# Altium PCB PCB1_1.pcbdoc (part 2 of 3)
Units mil, origin at the board's own origin, x right, y up, seen from the top; angles counter-clockwise.
Board outline 12887.67 x 6224.24 mil, 2 copper layers (Top Layer, Bottom Layer); 396 components, 233 nets, 925 pads, 502 vias.
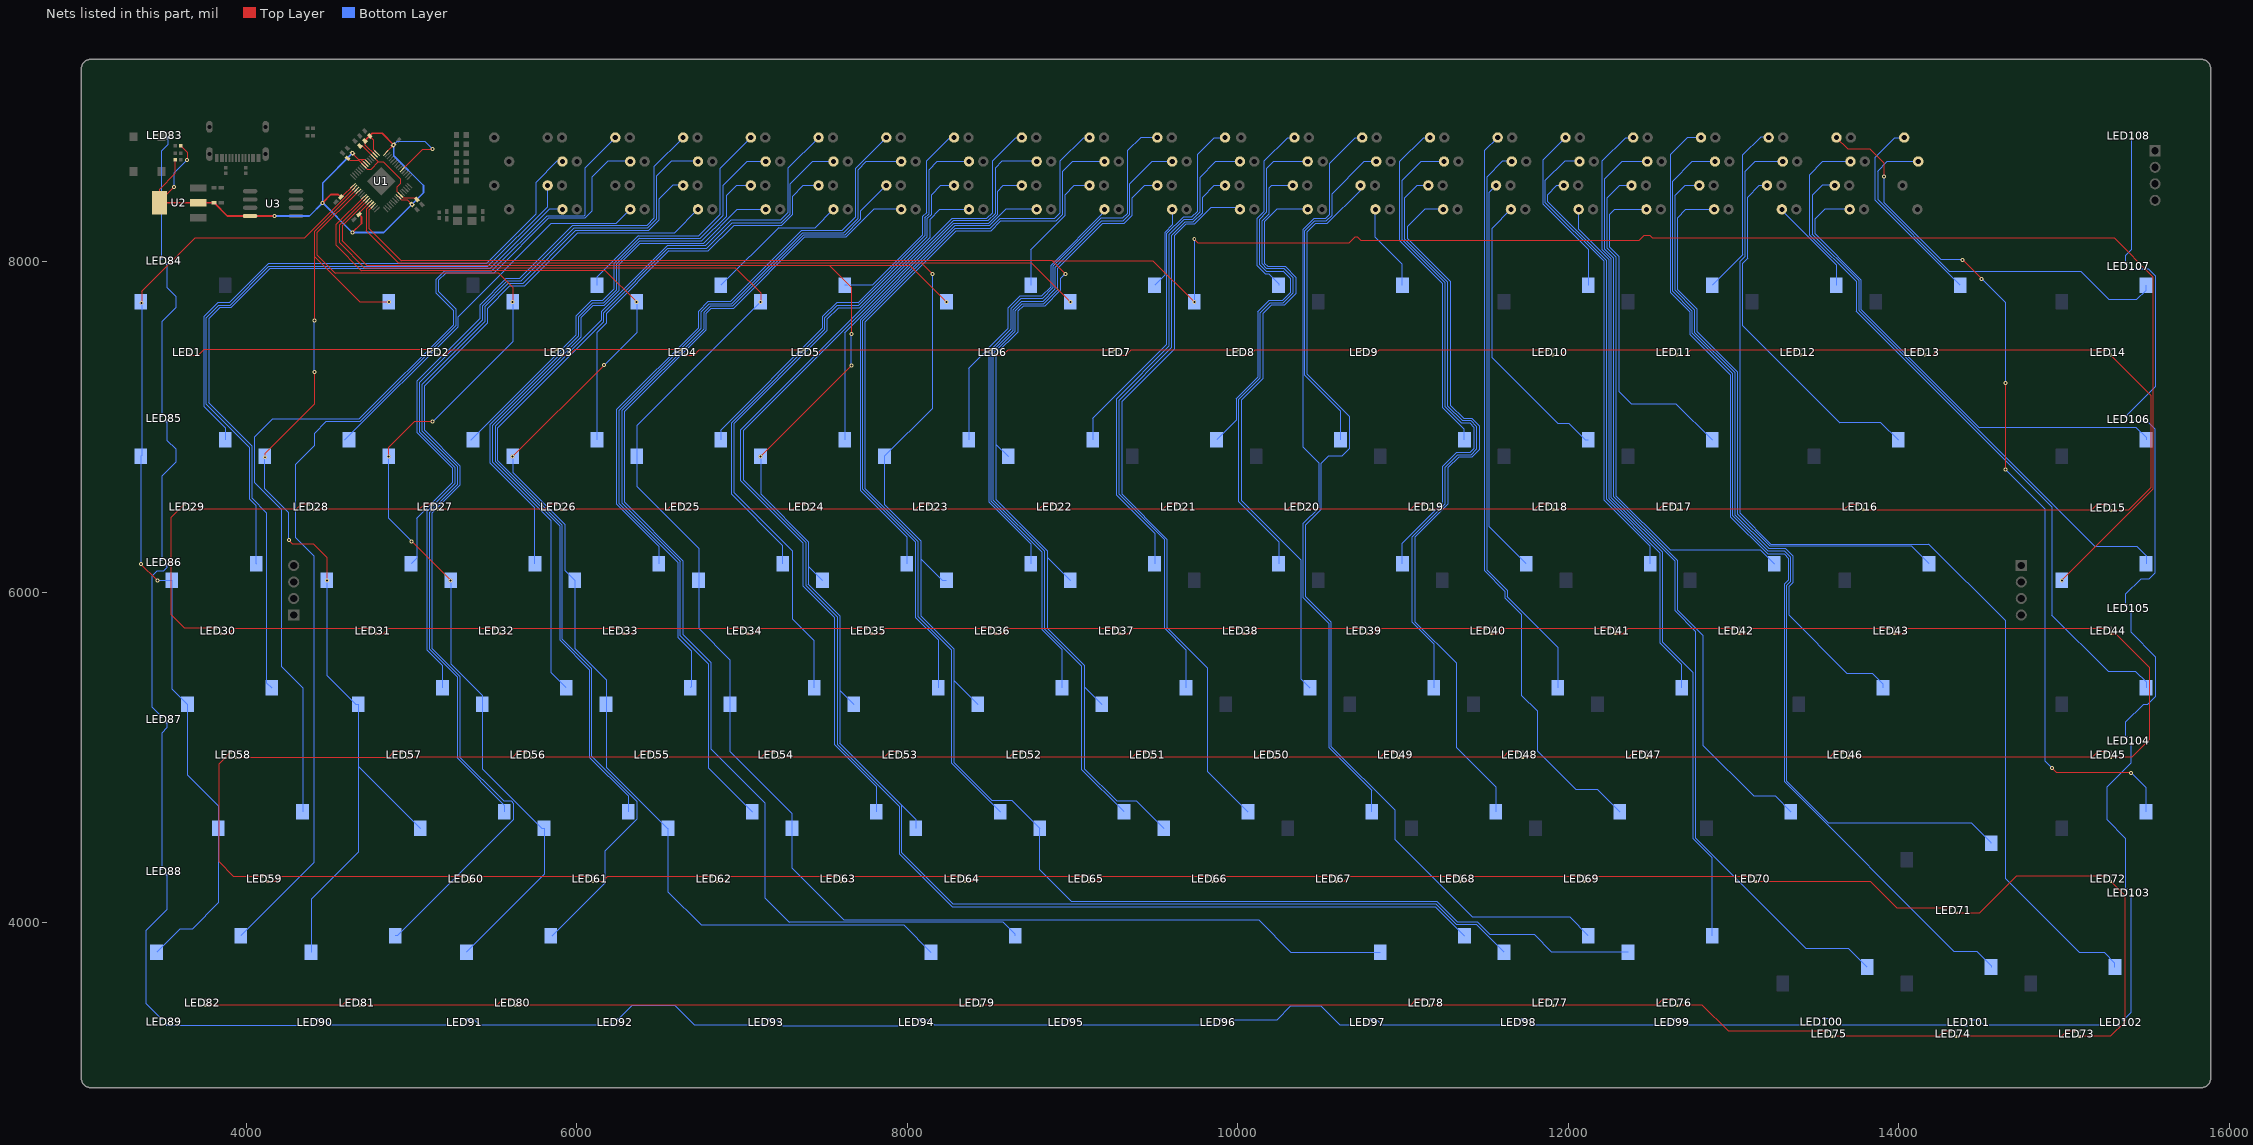
[diagram p2: the nets of this part, all layers, seen from the top]

## Via types
v1: diameter 19.68, hole 11.81, Top Layer to Bottom Layer, 300 vias
v2: diameter 24.02, hole 12.01, Top Layer to Bottom Layer, 202 vias

## Nets (pads, with @x,y where several pads share a name; then routed paths per layer and width w, separated by ;. In a path a pad name is that pad's centre, name@x,y a point inside that pad or via, vN(x,y) a via of type N, cw(c..) or ccw(c..) an arc to the next point about the centre after c; other vN are vias at no path point) (continued)
$1N381338: D13.2 SW4.2 | length 1494.7
  Bottom Layer w5: SW4.2@6120.82,7855.51 6120.82,7905.43 6370.9,8155.51 6735.9,8155.51 6865.9,8285.51 6865.9,8564.09 D13.2@7052.32,8750.51
$1N381379: D20.2 SW5.2 | length 872
  Bottom Layer w5: SW5.2@6870.82,7855.51 7220.82,8205.51 7442.32,8205.51 D20.2@7552.32,8315.51
$1N381432: D25.2 SW6.2 | length 1281.2
  Bottom Layer w5: SW6.2@7620.82,7855.51 7785.9,7855.51 8090.9,8160.51 8090.9,8270.51 8115.9,8295.51 8115.9,8610.51 8255.91,8750.51 D25.2@8282.32,8750.51
$1N381485: D35.2 SW7.2 | length 806.2
  Bottom Layer w5: SW7.2@8745.83,7855.51 8745.83,8070.43 8955.91,8280.51 8955.91,8405.51 9010.91,8460.51 D35.2@9102.32,8460.51
$1N381538: D40.2 SW8.2 | length 504.1
  Bottom Layer w5: SW8.2@9495.83,7855.51 9555.91,7915.59 9555.91,8175.51 9602.32,8221.93 D40.2@9602.32,8315.51
$1N381591: D45.2 SW9.2 | length 1078.6
  Bottom Layer w5: SW9.2@10245.83,7855.51 10245.83,7865.59 10185.91,7925.51 10165.91,7925.51 10115.91,7975.51 10115.91,8260.51 10160.91,8305.51 10160.91,8610.51 10300.91,8750.51 D45.2@10342.32,8750.51
$1N381644: D52.2 SW10.2 | length 527.7
  Bottom Layer w5: D52.2@10832.32,8315.51 10832.32,8147.27 10995.83,7983.77 SW10.2@10995.83,7855.51
$1N381697: D61.2 SW11.2 | length 1065.4
  Bottom Layer w5: D61.2@11982.32,8750.51 11845.91,8614.09 11845.91,8350.51 12120.83,8075.59 SW11.2@12120.83,7855.51
$1N381749: D73.2 SW12.2 | length 1070.7
  Bottom Layer w5: SW12.2@12870.83,7855.51 13055.91,8040.59 13055.91,8645.51 13165.91,8755.51 13207.33,8755.51 D73.2@13212.32,8750.51
$1N381802: D76.2 SW13.2 | length 596.1
  Bottom Layer w5: D76.2@13292.32,8315.51 13292.32,8309.09 13620.83,7980.59 SW13.2@13620.83,7855.51
$1N381855: D81.2 SW14.2 | length 1214.4
  Bottom Layer w5: D81.2@14032.32,8750.51 13975.91,8750.51 13855.91,8630.51 13855.91,8370.43 SW14.2@14370.83,7855.51
$1N381908: D2.2 SW15.2 | length 3472.4
  Bottom Layer w5: SW15.2@3870.82,6920.51 3870.82,6995.59 3740.91,7125.51 3740.91,7665.51 3825.91,7750.51 3895.91,7750.51 4130.9,7985.51 5450.9,7985.51 5750.9,8285.51 5750.9,8478.09 5878.33,8605.51 D2.2@5912.32,8605.51
$1N381963: D8.2 SW16.2 | length 2339.4
  Bottom Layer w5: SW16.2@4595.9,6920.51 5280.9,7605.51 5280.9,7665.51 5845.9,8230.51 6237.32,8230.51 D8.2@6322.32,8315.51
$1N382018: D14.2 SW17.2 | length 2748
  Bottom Layer w5: SW17.2@5355.9,6920.51 5360.9,6920.51 5995.9,7555.51 5995.9,7670.51 6090.9,7765.51 6155.9,7765.51 6225.9,7835.51 6225.9,7990.51 6375.9,8140.51 6745.9,8140.51 6885.9,8280.51 6885.9,8460.51 7030.9,8605.51 D14.2@7142.32,8605.51
$1N382073: D19.2 SW18.2 | length 2459.7
  Bottom Layer w5: SW18.2@6120.82,6920.51 6120.82,7570.43 6175.9,7625.51 6175.9,7685.51 6555.9,8065.51 6795.9,8065.51 6950.9,8220.51 7240.9,8220.51 7305.9,8285.51 7305.9,8395.51 7370.9,8460.51 D19.2@7462.32,8460.51
$1N382128: D26.2 SW19.2 | length 2495.2
  Bottom Layer w5: SW19.2@6870.82,6920.51 6870.82,6980.43 7485.9,7595.51 7485.9,7665.51 7570.9,7750.51 7700.9,7750.51 8105.9,8155.51 8105.9,8265.51 8130.9,8290.51 8130.9,8555.51 8180.9,8605.51 D26.2@8372.32,8605.51
$1N382183: D31.2 SW20.2 | length 2172.1
  Bottom Layer w5: SW20.2@7620.82,6920.51 7620.82,7570.43 8280.91,8230.51 8490.91,8230.51 8545.91,8285.51 8545.91,8425.51 8580.91,8460.51 D31.2@8692.32,8460.51
$1N382238: D36.2 SW21.2 | length 1811.4
  Bottom Layer w5: SW21.2@8370.83,6920.51 8370.83,7355.43 8610.91,7595.51 8610.91,7720.51 8680.91,7790.51 8810.91,7790.51 8865.91,7845.51 8865.91,7975.51 9192.32,8301.93 D36.2@9192.32,8315.51
$1N382293: D41.2 SW22.2 | length 2230.2
  Bottom Layer w5: SW22.2@9120.83,6920.51 9120.83,7050.43 9570.91,7500.51 9570.91,8170.51 9670.91,8270.51 9720.91,8270.51 9755.91,8305.51 9755.91,8650.51 9855.91,8750.51 D41.2@9922.32,8750.51
$1N382348: D46.2 SW23.2 | length 2300.1
  Bottom Layer w5: SW23.2@9870.83,6920.51 9990.91,7040.59 9990.91,7170.51 10120.91,7300.51 10120.91,7695.51 10190.91,7765.51 10270.91,7765.51 10320.91,7815.51 10320.91,7895.51 10275.91,7940.51 10170.91,7940.51 10130.91,7980.51 10130.91,8255.51 10175.91,8300.51 10175.91,8565.51 10215.91,8605.51 D46.2@10422.32,8605.51
$1N382403: D50.2 SW24.2 | length 2035.6
  Bottom Layer w5: SW24.2@10620.83,6920.51 10620.83,7095.59 10405.91,7310.51 10405.91,8185.51 10465.91,8245.51 10535.91,8245.51 10570.91,8280.51 10570.91,8410.51 10765.91,8605.51 D50.2@10837.32,8605.51
$1N382457: D53.2 SW25.2 | length 2088
  Bottom Layer w5: D53.2@11162.32,8750.51 11125.91,8750.51 10980.91,8605.51 10980.91,8125.51 11240.91,7865.51 11240.91,7115.51 11370.83,6985.59 SW25.2@11370.83,6920.51
$1N382512: D60.2 SW26.2 | length 1735.3
  Bottom Layer w5: D60.2@11652.32,8315.51 11535.91,8199.09 11535.91,7420.51 11935.91,7020.51 12000.91,7020.51 12100.91,6920.51 SW26.2@12120.83,6920.51
$1N382567: D68.2 SW27.2 | length 2013.7
  Bottom Layer w5: D68.2@12472.32,8315.51 12280.91,8315.51 12250.91,8285.51 12250.91,8085.51 12305.91,8030.51 12305.91,7215.51 12380.91,7140.51 12650.83,7140.51 SW27.2@12870.83,6920.51
$1N382622: D75.2 SW28.2 | length 2163.6
  Bottom Layer w5: D75.2@13202.32,8460.51 13155.91,8460.51 13085.91,8390.51 13085.91,8020.51 13055.91,7990.51 13055.91,7610.51 13640.91,7025.51 13890.83,7025.51 SW28.2@13995.83,6920.51
$1N382674: D3.2 SW29.2 | length 4088.3
  Bottom Layer w5: SW29.2@4058.23,6170.51 4055.91,6172.83 4055.91,6525.51 4015.91,6565.51 4015.91,6875.51 3755.91,7135.51 3755.91,7660.51 3830.91,7735.51 3900.91,7735.51 4135.9,7970.51 5460.9,7970.51 5822.32,8331.93 D3.2@5822.32,8460.51
$1N382731: D9.2 SW30.2 | length 3750.6
  Bottom Layer w5: SW30.2@4995.82,6170.51 5030.9,6205.59 5030.9,6445.51 5245.9,6660.51 5245.9,6750.51 5030.9,6965.51 5030.9,7275.51 5410.26,7654.86 5410.26,7734.86 5570.33,7894.94 5650.33,7894.94 5970.9,8215.51 6420.9,8215.51 6465.9,8260.51 6465.9,8574.09 D9.2@6642.32,8750.51
$1N382788: D15.2 SW31.2 | length 3363.1
  Bottom Layer w5: SW31.2@5745.82,6170.51 5745.82,6510.59 5475.9,6780.51 5475.9,7015.51 6010.9,7550.51 6010.9,7665.51 6095.9,7750.51 6160.9,7750.51 6240.9,7830.51 6240.9,7985.51 6380.9,8125.51 6755.9,8125.51 6905.9,8275.51 6905.9,8400.51 6965.91,8460.51 D15.2@7052.32,8460.51
$1N382845: D21.2 SW32.2 | length 3583.9
  Bottom Layer w5: SW32.2@6495.82,6170.51 6495.82,6275.59 6240.9,6530.51 6240.9,7105.51 6735.9,7600.51 6735.9,7700.51 6795.9,7760.51 6930.9,7760.51 7360.9,8190.51 7605.9,8190.51 7685.9,8270.51 7685.9,8564.09 D21.2@7872.32,8750.51
$1N382902: D27.2 SW33.2 | length 3099.9
  Bottom Layer w5: SW33.2@7245.82,6170.51 7245.82,6280.59 6935.9,6590.51 6935.9,7025.51 7500.9,7590.51 7500.9,7660.51 7575.9,7735.51 7705.9,7735.51 8120.9,8150.51 8120.9,8260.51 8145.9,8285.51 8145.9,8405.51 8200.91,8460.51 D27.2@8282.32,8460.51
$1N382959: D32.2 SW34.2 | length 2934.9
  Bottom Layer w5: SW34.2@7995.82,6170.51 7995.82,6335.59 7715.9,6615.51 7715.9,7645.51 8285.91,8215.51 8495.91,8215.51 8595.91,8315.51 D32.2@8782.32,8315.51
$1N383016: D37.2 SW35.2 | length 3320.4
  Bottom Layer w5: SW35.2@8745.83,6170.51 8745.83,6290.59 8490.91,6545.51 8490.91,7455.51 8625.05,7589.65 8625.05,7714.65 8685.91,7775.51 8815.91,7775.51 8880.91,7840.51 8880.91,7970.51 9170.91,8260.51 9300.91,8260.51 9330.91,8290.51 9330.91,8670.51 9410.91,8750.51 D37.2@9512.32,8750.51
$1N383073: D42.2 SW36.2 | length 2954.5
  Bottom Layer w5: SW36.2@9495.83,6170.51 9495.83,6355.59 9265.91,6585.51 9265.91,7170.51 9585.91,7490.51 9585.91,8165.51 9675.91,8255.51 9725.91,8255.51 9770.91,8300.51 9770.91,8510.51 9865.91,8605.51 D42.2@10012.32,8605.51
$1N383130: D47.2 SW37.2 | length 2864.4
  Bottom Layer w5: SW37.2@10245.83,6170.51 10245.83,6305.59 10005.91,6545.51 10005.91,7165.51 10135.91,7295.51 10135.91,7690.51 10195.91,7750.51 10275.91,7750.51 10335.91,7810.51 10335.91,7900.51 10280.91,7955.51 10175.91,7955.51 10145.91,7985.51 10145.91,8245.51 10190.91,8290.51 10190.91,8445.51 10205.91,8460.51 D47.2@10332.32,8460.51
$1N383187: D54.2 SW38.2 | length 3055.6
  Bottom Layer w5: SW38.2@10995.83,6170.51 10995.83,6295.43 11240.91,6540.51 11240.91,6760.51 11325.91,6845.51 11405.91,6845.51 11430.91,6870.51 11430.91,6995.51 11405.91,7020.51 11355.91,7020.51 11255.91,7120.51 11255.91,7870.51 10995.91,8130.51 10995.91,8490.51 11110.91,8605.51 D54.2@11247.32,8605.51
$1N383243: D59.2 SW39.2 | length 2400.3
  Bottom Layer w5: D59.2@11562.32,8460.51 11520.91,8419.09 11520.91,6395.43 SW39.2@11745.83,6170.51
$1N383300: D62.2 SW40.2 | length 2841.2
  Bottom Layer w5: D62.2@12067.32,8605.51 12062.33,8610.51 11980.91,8610.51 11860.91,8490.51 11860.91,8355.51 12215.91,8000.51 12215.91,6555.51 12495.83,6275.59 SW40.2@12495.83,6170.51
$1N383357: D67.2 SW41.2 | length 3130
  Bottom Layer w5: D67.2@12382.32,8460.51 12310.91,8460.51 12235.91,8385.51 12235.91,8080.51 12290.91,8025.51 12290.91,6580.51 12615.91,6255.51 13160.83,6255.51 SW41.2@13245.83,6170.51
$1N383414: D72.2 SW42.2 | length 3469.9
  Bottom Layer w5: D72.2@12882.32,8315.51 12710.91,8315.51 12660.91,8265.51 12660.91,7830.51 12780.91,7710.51 12780.91,7575.51 13025.91,7330.51 13025.91,6470.51 13220.91,6275.51 14077.6,6275.51 SW42.2@14183.03,6170.08
$1N383468: D4.2 SW1.2 | length 4806.7
  Bottom Layer w5: SW1.2@4152.32,5420.51 4120.9,5451.93 4120.9,6480.51 4030.91,6570.51 4030.91,6885.51 3770.91,7145.51 3770.91,7653.69 3837.72,7720.51 3905.91,7720.51 4140.9,7955.51 5470.9,7955.51 5830.91,8315.51 D4.2@5912.32,8315.51
$1N383527: D10.2 SW43.2 | length 4487.3
  Bottom Layer w5: SW43.2@5185.82,5420.51 5185.82,5555.59 5090.9,5650.51 5090.9,6485.51 5260.9,6655.51 5260.9,6755.51 5045.9,6970.51 5045.9,7265.51 5425.9,7645.51 5425.9,7730.51 5575.9,7880.51 5660.9,7880.51 5980.9,8200.51 6425.9,8200.51 6480.9,8255.51 6480.9,8515.51 6570.9,8605.51 D10.2@6732.32,8605.51
$1N383586: D16.2 SW44.2 | length 4126.2
  Bottom Layer w5: SW44.2@5935.82,5420.51 5845.9,5510.43 5845.9,6430.51 5490.9,6785.51 5490.9,7010.51 6025.9,7545.51 6025.9,7661.93 6099.48,7735.51 6165.9,7735.51 6255.9,7825.51 6255.9,7982.07 6384.34,8110.51 6765.9,8110.51 6970.91,8315.51 D16.2@7142.32,8315.51
$1N383645: D22.2 SW45.2 | length 4423.5
  Bottom Layer w5: SW45.2@6685.82,5420.51 6690.9,5425.59 6690.9,5645.51 6610.9,5725.51 6610.9,6180.51 6255.9,6535.51 6255.9,7100.51 6750.9,7595.51 6750.9,7695.51 6800.9,7745.51 6935.9,7745.51 7365.9,8175.51 7615.9,8175.51 7700.9,8260.51 7700.9,8555.51 7750.9,8605.51 D22.2@7962.32,8605.51
$1N383704: D28.2 SW46.2 | length 3862.6
  Bottom Layer w5: SW46.2@7435.82,5420.51 7435.82,5705.27 7305.9,5835.19 7305.9,6245.51 6950.9,6600.51 6950.9,7020.51 7515.9,7585.51 7515.9,7652.94 7583.17,7720.2 7710.59,7720.2 8136.84,8146.44 8136.84,8256.44 8195.91,8315.51 D28.2@8372.32,8315.51
$1N383763: D33.2 SW47.2 | length 4424.2
  Bottom Layer w5: SW47.2@8185.82,5420.51 8185.82,5710.59 8050.9,5845.51 8050.9,6300.51 7730.9,6620.51 7730.9,7640.51 8290.91,8200.51 8500.91,8200.51 8560.91,8260.51 8890.91,8260.51 8925.91,8295.51 8925.91,8610.51 9065.91,8750.51 D33.2@9102.32,8750.51
$1N383822: D38.2 SW48.2 | length 4040.7
  Bottom Layer w5: SW48.2@8935.83,5420.51 8935.83,5650.59 8815.91,5770.51 8815.91,6240.51 8505.91,6550.51 8505.91,7450.51 8639.19,7583.79 8639.19,7708.79 8690.91,7760.51 8820.91,7760.51 8895.91,7835.51 8895.91,7965.51 9175.91,8245.51 9305.91,8245.51 9345.91,8285.51 9345.91,8470.51 9480.91,8605.51 D38.2@9602.32,8605.51
$1N383881: D43.2 SW49.2 | length 3541.6
  Bottom Layer w5: SW49.2@9685.83,5420.51 9685.83,5650.59 9555.91,5780.51 9555.91,6315.51 9280.91,6590.51 9280.91,7160.51 9600.91,7480.51 9600.91,8160.51 9680.91,8240.51 9730.91,8240.51 9785.91,8295.51 9785.91,8390.51 9855.91,8460.51 D43.2@9922.32,8460.51
$1N383940: D48.2 SW50.2 | length 3607.4
  Bottom Layer w5: D48.2@10422.32,8315.51 10235.91,8315.51 10160.91,8240.51 10160.91,7990.51 10180.91,7970.51 10285.91,7970.51 10350.91,7905.51 10350.91,7805.51 10280.91,7735.51 10202.15,7735.51 10150.91,7684.27 10150.91,7290.51 10020.91,7160.51 10020.91,6556.38 10380.91,6196.38 10380.91,5475.43 SW50.2@10435.83,5420.51
$1N383999: D55.2 SW51.2 | length 3609.2
  Bottom Layer w5: D55.2@11152.32,8460.51 11085.91,8460.51 11010.91,8385.51 11010.91,8135.51 11270.91,7875.51 11270.91,7125.51 11360.91,7035.51 11410.91,7035.51 11445.91,7000.51 11445.91,6865.51 11410.91,6830.51 11330.91,6830.51 11255.91,6755.51 11255.91,6535.51 11055.91,6335.51 11055.91,5815.51 11185.83,5685.59 SW51.2@11185.83,5420.51
$1N384057: D58.2 SW52.2 | length 3458.8
  Bottom Layer w5: D58.2@11657.32,8605.51 11600.91,8605.51 11505.91,8510.51 11505.91,6135.51 11630.91,6010.51 11630.91,5970.51 11935.83,5665.59 SW52.2@11935.83,5420.51
$1N384116: D63.2 SW53.2 | length 3439.7
  Bottom Layer w5: D63.2@11972.32,8460.51 11930.91,8460.51 11875.91,8405.51 11875.91,8360.51 12230.91,8005.51 12230.91,6560.51 12555.91,6235.51 12555.91,5690.51 12685.83,5560.59 SW53.2@12685.83,5420.51
$1N384175: D71.2 SW54.2 | length 3841.5
  Bottom Layer w5: D71.2@12792.32,8460.51 12705.91,8460.51 12645.91,8400.51 12645.91,7825.51 12765.91,7705.51 12765.91,7570.51 13010.91,7325.51 13010.91,6465.51 13215.91,6260.51 13315.91,6260.51 13360.91,6215.51 13360.91,6058.53 13335.91,6033.53 13335.91,5858.71 13689.11,5505.51 13840.91,5505.51 13904.35,5442.06 SW54.2@13904.35,5419.77
$1N384234: D78.2 SW55.2 | length 4324.1
  Bottom Layer w5: D78.2@13707.32,8605.51 13540.91,8605.51 13460.91,8525.51 13460.91,8160.51 13740.91,7880.51 13740.91,7700.51 14925.91,6515.51 14925.91,5860.51 15265.91,5520.51 15430.91,5520.51 15495.83,5455.59 SW55.2@15495.83,5420.51
$1N384290: D5.2 SW56.2 | length 5800.5
  Bottom Layer w5: SW56.2@4339.49,4670.51 4339.49,5420.63 4210.9,5549.21 4210.9,6500.05 4045.91,6665.05 4045.91,6935.51 4155.9,7045.51 4680.9,7045.51 5250.9,7615.51 5250.9,7705.51 5145.9,7810.51 5145.9,7890.51 5195.9,7940.51 5480.9,7940.51 5815.9,8275.51 6040.9,8275.51 6045.9,8280.51 6045.9,8564.09 D5.2@6232.32,8750.51
$1N384351: D11.2 SW57.2 | length 5139.4
  Bottom Layer w5: SW57.2@5560.82,4670.51 5560.82,4710.59 5275.66,4995.75 5275.66,5485.75 5105.9,5655.51 5105.9,6480.51 5275.9,6650.51 5275.9,6760.51 5060.9,6975.51 5060.9,7255.51 5440.9,7635.51 5440.9,7725.51 5580.9,7865.51 5670.9,7865.51 5990.9,8185.51 6430.9,8185.51 6495.9,8250.51 6495.9,8375.51 6580.9,8460.51 D11.2@6642.32,8460.51
$1N384412: D17.2 SW58.2 | length 5534.3
  Bottom Layer w5: SW58.2@6310.82,4670.51 6310.82,4765.59 6075.9,5000.51 6075.9,5530.51 5895.9,5710.51 5895.9,6400.51 5505.9,6790.51 5505.9,7002.91 6146.42,7643.42 6146.42,7696.02 6545.9,8095.51 6775.9,8095.51 6930.9,8250.51 7230.9,8250.51 7275.9,8295.51 7275.9,8564.09 D17.2@7462.32,8750.51
$1N384473: D23.2 SW59.2 | length 5006.1
  Bottom Layer w5: SW59.2@7060.82,4670.51 6795.9,4935.43 6795.9,5565.51 6625.9,5735.51 6625.9,6185.51 6270.9,6540.51 6270.9,7095.51 6765.9,7590.51 6765.9,7690.51 6805.9,7730.51 6940.9,7730.51 7370.9,8160.51 7620.9,8160.51 7715.9,8255.51 7715.9,8304.09 D23.2@7872.32,8460.51
$1N384534: D29.2 SW60.2 | length 5268.7
  Bottom Layer w5: SW60.2@7810.82,4670.51 7810.82,4825.59 7560.9,5075.51 7560.9,5845.51 7370.9,6035.51 7370.9,6294.55 6990.9,6674.55 6990.9,6980.51 8270.91,8260.51 8480.91,8260.51 8515.91,8295.51 8515.91,8610.51 8655.91,8750.51 D29.2@8692.32,8750.51
$1N384595: D34.2 SW61.2 | length 5303.1
  Bottom Layer w5: SW61.2@8560.83,4670.51 8265.91,4965.43 8265.91,5650.51 8065.9,5850.51 8065.9,6305.51 7745.9,6625.51 7745.9,7635.51 8295.91,8185.51 8505.91,8185.51 8565.91,8245.51 8900.91,8245.51 8940.91,8285.51 8940.91,8545.51 9000.91,8605.51 D34.2@9192.32,8605.51
$1N384656: D39.2 SW62.2 | length 4724.9
  Bottom Layer w5: SW62.2@9310.83,4670.51 9055.91,4925.43 9055.91,5550.51 8830.91,5775.51 8830.91,6245.51 8520.91,6555.51 8520.91,7445.51 8653.45,7578.06 8653.45,7703.06 8695.91,7745.51 8825.91,7745.51 8910.91,7830.51 8910.91,7960.51 9180.91,8230.51 9310.91,8230.51 9360.91,8280.51 9360.91,8385.51 9435.91,8460.51 D39.2@9512.32,8460.51
$1N384717: D44.2 SW63.2 | length 4405.4
  Bottom Layer w5: D44.2@10012.32,8315.51 10002.33,8325.51 9835.91,8325.51 9735.91,8225.51 9685.91,8225.51 9615.91,8155.51 9615.91,7470.51 9295.91,7150.51 9295.91,6595.51 9570.91,6320.51 9570.91,5785.51 9815.91,5540.51 9815.91,4915.43 SW63.2@10060.83,4670.51
$1N384778: D49.2 SW64.2 | length 4543.5
  Bottom Layer w5: D49.2@10752.32,8750.51 10710.91,8750.51 10555.91,8595.51 10555.91,8285.51 10530.91,8260.51 10460.91,8260.51 10395.91,8195.51 10395.91,6875.51 10490.91,6780.51 10490.91,6510.51 10395.91,6415.51 10395.91,5965.51 10550.91,5810.51 10550.91,5060.51 10810.83,4800.59 SW64.2@10810.83,4670.51
$1N384839: D56.2 SW65.2 | length 4420.7
  Bottom Layer w5: D56.2@11242.32,8315.51 11130.91,8315.51 11025.91,8210.51 11025.91,8140.51 11285.91,7880.51 11285.91,7130.51 11365.91,7050.51 11415.91,7050.51 11460.91,7005.51 11460.91,6860.51 11415.91,6815.51 11335.91,6815.51 11270.91,6750.51 11270.91,6530.51 11070.91,6330.51 11070.91,5820.51 11320.91,5570.51 11320.91,5061.61 11560.83,4821.69 SW65.2@11560.83,4670.51
$1N384888: D57.2 SW66.2 | length 4529.4
  Bottom Layer w5: D57.2@11572.32,8750.51 11490.91,8669.09 11490.91,6130.51 11615.91,6005.51 11615.91,5965.51 11715.91,5865.51 11715.91,5375.51 11810.91,5280.51 11810.91,5040.51 12045.91,4805.51 12175.91,4805.51 SW66.2@12310.83,4670.59
$1N384949: D66.2 SW67.2 | length 4672
  Bottom Layer w5: D66.2@12477.32,8605.51 12325.91,8605.51 12220.91,8500.51 12220.91,8075.51 12275.91,8020.51 12275.91,6575.51 12660.91,6190.51 12660.91,5890.51 12815.91,5735.51 12815.91,5070.51 13120.91,4765.51 13250.83,4765.51 SW67.2@13345.83,4670.51
$1N385010: D70.2 SW68.2 | length 5695.5
  Bottom Layer w5: D70.2@12887.32,8605.51 12750.91,8605.51 12630.91,8485.51 12630.91,7820.51 12750.91,7700.51 12750.91,7565.51 12995.91,7320.51 12995.91,6460.51 13210.91,6245.51 13310.91,6245.51 13345.91,6210.51 13345.91,6065.51 13320.91,6040.51 13320.91,4855.51 13575.91,4600.51 14440.91,4600.51 14558.39,4483.03 SW68.2@14558.39,4480.51
$1N385071: D77.2 SW69.2 | length 5274
  Top Layer w5: D77.2@13622.32,8750.51 13692.33,8680.51 13825.91,8680.51 13910.91,8595.51 v2(13910.91,8515.51) ; v2(14385.91,8010.51) v2(14500.91,7895.51) ; v2(14645.91,6740.51) v2(14645.91,7265.51) ; v2(14925.91,4935.51) 14955.91,4905.51 v2(15405.91,4905.51)
  Bottom Layer w5: v2(13910.91,8515.51) 13910.91,8355.51 14255.91,8010.51 v2(14385.91,8010.51) ; v2(14500.91,7895.51) 14645.91,7750.51 v2(14645.91,7265.51) ; v2(14645.91,6740.51) 14885.91,6500.51 14885.91,4975.51 v2(14925.91,4935.51) ; v2(15405.91,4905.51) 15495.83,4815.59 SW69.2@15495.83,4670.51
$1N385129: D6.2 SW70.2 | length 6338
  Bottom Layer w5: SW70.2@3965.82,3920.51 4405.9,4360.59 4405.9,6220.51 4295.9,6330.51 4295.9,6770.51 4409.38,6883.99 4409.38,6958.99 4480.9,7030.51 4685.9,7030.51 5265.9,7610.51 5265.9,7715.51 5160.9,7820.51 5160.9,7885.51 5205.9,7930.51 5495.9,7930.51 5825.9,8260.51 6045.9,8260.51 6090.9,8305.51 6090.9,8510.51 6185.9,8605.51 D6.2@6322.32,8605.51
$1N385178: D12.2 SW71.2 | length 6171.7
  Bottom Layer w5: SW71.2@4900.82,3920.51 4913.31,3920.51 5615.9,4623.11 5615.9,4720.51 5600.9,4735.51 5555.9,4735.51 5290.9,5000.51 5290.9,5490.51 5120.9,5660.51 5120.9,6475.51 5290.9,6645.51 5290.9,6765.51 5075.9,6980.51 5075.9,7245.51 5455.9,7625.51 5455.9,7715.51 5590.9,7850.51 5680.9,7850.51 6000.9,8170.51 6587.32,8170.51 D12.2@6732.32,8315.51
$1N385227: D18.2 SW72.2 | length 6474.3
  Bottom Layer w5: SW72.2@5850.86,3920.47 6170.9,4240.51 6170.9,4432.94 6365.9,4627.94 6365.9,4730.51 6090.9,5005.51 6090.9,5535.51 5910.9,5715.51 5910.9,6405.51 5520.9,6795.51 5520.9,6995.51 6160.9,7635.51 6160.9,7690.51 6550.9,8080.51 6785.9,8080.51 6940.9,8235.51 7235.9,8235.51 7290.9,8290.51 7290.9,8470.51 7425.9,8605.51 D18.2@7552.32,8605.51
$1N385276: D24.2 SW73.2 | length 7151.1
  Bottom Layer w5: D24.2@7962.32,8315.51 7795.91,8315.51 7625.9,8145.51 7375.55,8145.51 6945.55,7715.51 6810.9,7715.51 6780.9,7685.51 6780.9,7585.51 6285.9,7090.51 6285.9,6545.51 6640.9,6190.51 6640.9,5744.09 6810.9,5574.09 6810.9,5050.51 7135.9,4725.51 7135.9,4150.51 7285.9,4000.51 8580.91,4000.51 8652.02,3929.39 SW73.2@8652.02,3920.51
$1N385325: D30.2 SW74.2 | length 9189.1
  Bottom Layer w5: D30.2@8782.32,8605.51 8570.91,8605.51 8530.91,8565.51 8530.91,8290.51 8485.91,8245.51 8275.91,8245.51 7005.9,6975.51 7005.9,6680.51 7385.9,6300.51 7385.9,6040.51 7575.9,5850.51 7575.9,5079.84 7950.9,4704.84 7950.9,4415.51 8270.91,4095.51 11195.83,4095.51 SW74.2@11370.83,3920.51
$1N385374: D51.2 SW75.2 | length 6030.2
  Bottom Layer w5: D51.2@10742.32,8460.51 10742.32,8431.93 10540.91,8230.51 10470.91,8230.51 10420.91,8180.51 10420.91,7316.83 10675.91,7061.83 10675.91,6870.51 10630.91,6825.51 10550.91,6825.51 10505.91,6780.51 10505.91,6501.99 10410.91,6406.99 10410.91,5970.51 10565.91,5815.51 10565.91,5064.93 10950.91,4679.93 10950.91,4500.51 11420.91,4030.51 12010.83,4030.51 SW75.2@12120.83,3920.51
$1N385423: D64.2 SW76.2 | length 4729.9
  Bottom Layer w5: D64.2@12062.32,8315.51 12062.32,8194.09 12245.91,8010.51 12245.91,6565.51 12570.91,6240.51 12570.91,5695.51 12755.91,5510.51 12755.91,4505.51 12870.83,4390.59 SW76.2@12870.83,3920.51